# Altium PCB DL-5新款球锁 - 拼板-20201231.PcbDoc (part 7 of 9)
Units mm, origin at the board's own origin, x right, y up, seen from the top; angles counter-clockwise.
Board outline 55.99 x 50 mm, 4 copper layers (Top Layer, POWER, GND, Bottom Layer); 388 components, 70 nets, 1224 pads, 536 vias.
Unrouted connection lines stored in the file: 276.
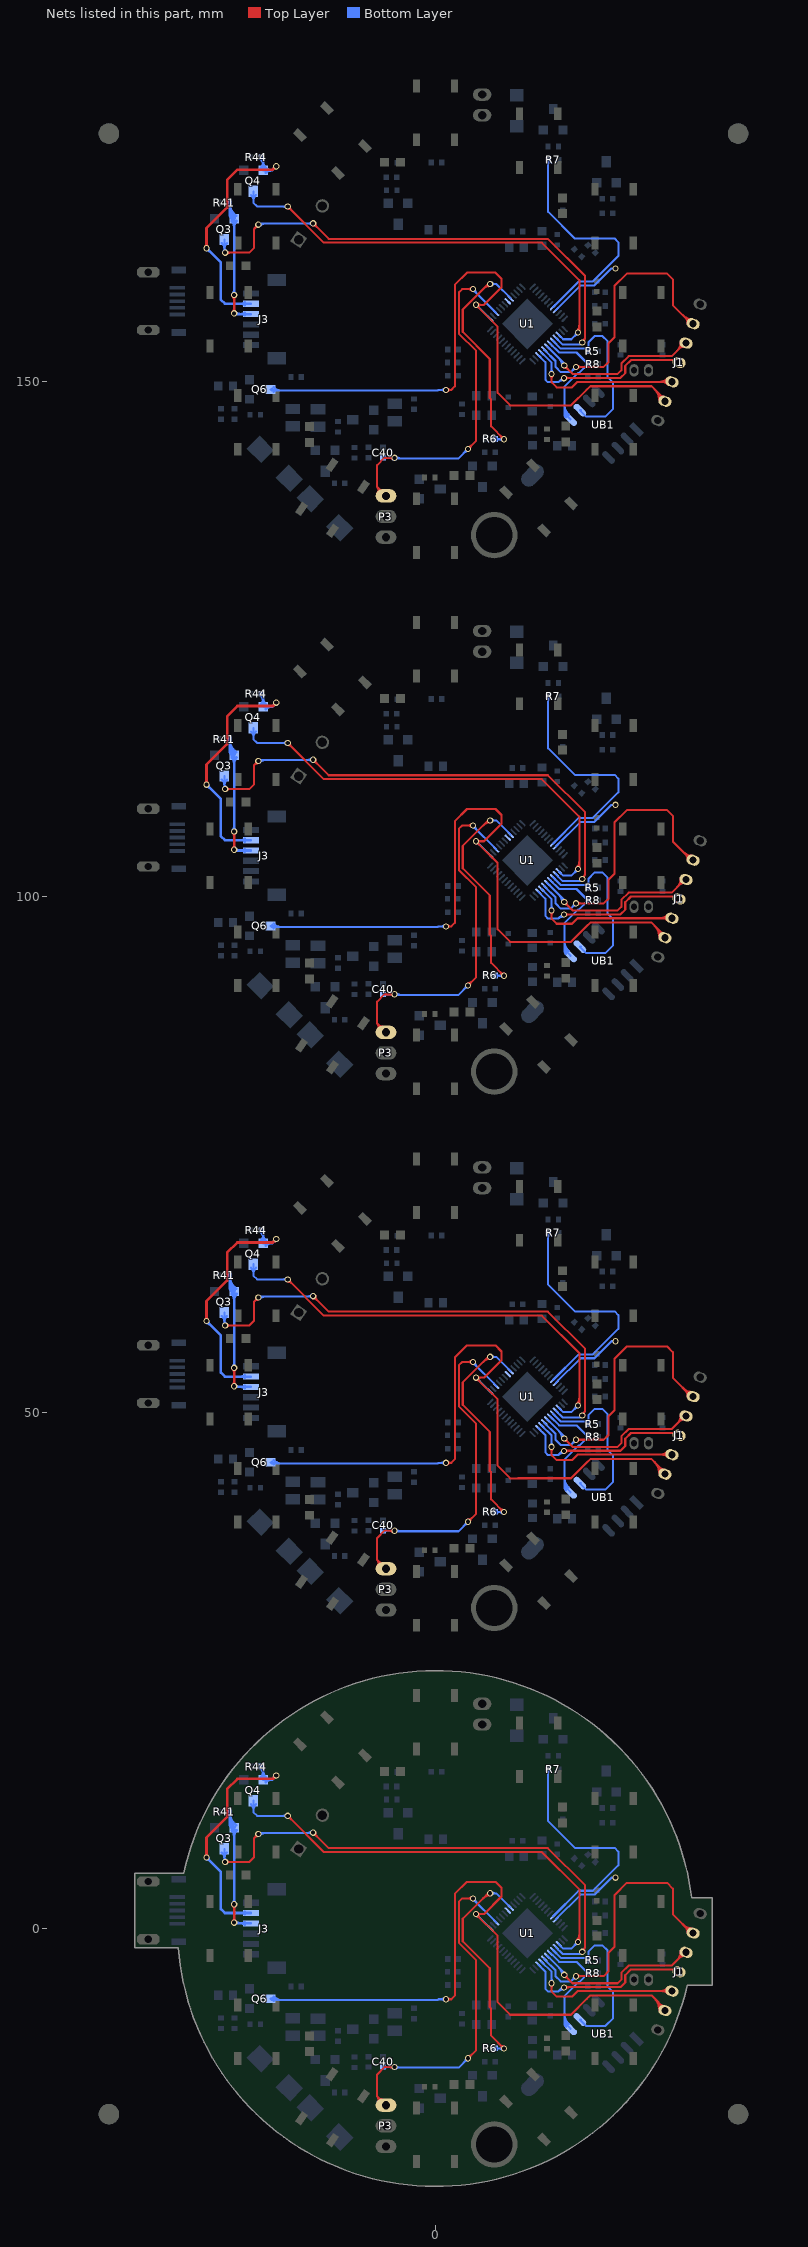
[diagram p9: the nets of this part, all layers, seen from the top]

## Via types
v1: diameter 0.6, hole 0.4, Top Layer to Bottom Layer, 440 vias
v2: diameter 0.6, hole 0.4, Top Layer to Bottom Layer, tented both sides, 48 vias
v3: diameter 0.61, hole 0.406, Top Layer to Bottom Layer, 24 vias
v4: diameter 0.61, hole 0.4, Top Layer to Bottom Layer, 16 vias
v5: diameter 0.61, hole 0.406, Top Layer to Bottom Layer, tented both sides, 8 vias

## Nets (pads, with @x,y where several pads share a name; then routed paths per layer and width w, separated by ;. In a path a pad name is that pad's centre, name@x,y a point inside that pad or via, vN(x,y) a via of type N, cw(c..) or ccw(c..) an arc to the next point about the centre after c; other vN are vias at no path point) (continued)
P04/SCK: J1.3 U1.43 | length 81.1
  Top Layer w0.2: v3@12.467,-4.701 cw(c12.467,-5.195) 12.817,-4.845 cw(c13.166,-4.496) v3@12.672,-4.496 ; v3(12.467,-4.496) 13.276,-5.304 17.657,-5.304 18.009,-4.952 18.009,-4.287 18.715,-3.581 22.899,-3.581 24.17,-2.311 J1.3@24.282,-2.311 ; v3@12.467,47.299 cw(c12.467,46.805) 12.817,47.155 cw(c13.166,47.504) v3@12.672,47.504 ; v3(12.467,47.504) 13.276,46.696 17.657,46.696 18.009,47.048 18.009,47.713 18.715,48.419 22.899,48.419 24.17,49.689 J1.3@24.282,49.689 ; v3@12.467,99.299 cw(c12.467,98.805) 12.817,99.155 cw(c13.166,99.504) v3@12.672,99.504 ; v3(12.467,99.504) 13.276,98.696 17.657,98.696 18.009,99.048 18.009,99.713 18.715,100.419 22.899,100.419 24.17,101.689 J1.3@24.282,101.689 ; v3@12.467,151.299 cw(c12.467,150.805) 12.817,151.155 cw(c13.166,151.504) v3@12.672,151.504 ; v3(12.467,151.504) 13.276,150.696 17.657,150.696 18.009,151.048 18.009,151.713 18.715,152.419 22.899,152.419 24.17,153.689 J1.3@24.282,153.689 ; 23.401,-3.079 ccw(c22.581,-2.26) J1.3@23.741,-2.26 ; 23.401,48.921 ccw(c22.581,49.74) J1.3@23.741,49.74 ; 23.401,100.921 ccw(c22.581,101.74) J1.3@23.741,101.74 ; 23.401,152.921 ccw(c22.581,153.74) J1.3@23.741,153.74 ; 23.595,-2.886 cw(c24.141,-3.432) J1.3@24.141,-2.66 ; 23.595,49.114 cw(c24.141,48.568) J1.3@24.141,49.34 ; 23.595,101.114 cw(c24.141,100.568) J1.3@24.141,101.34 ; 23.595,153.114 cw(c24.141,152.568) J1.3@24.141,153.34 ; 23.743,-2.738 ccw(c23.264,-2.26) J1.3@23.941,-2.26 ; 23.743,49.262 ccw(c23.264,49.74) J1.3@23.941,49.74 ; 23.743,101.262 ccw(c23.264,101.74) J1.3@23.941,101.74 ; 23.743,153.262 ccw(c23.264,153.74) J1.3@23.941,153.74
  Bottom Layer w0.2: U1.43@10.82,-2.649 12.467,-4.296 v3(12.467,-4.496) ; U1.43@10.82,49.351 12.467,47.704 v3(12.467,47.504) ; U1.43@10.82,101.351 12.467,99.704 v3(12.467,99.504) ; U1.43@10.82,153.351 12.467,151.704 v3(12.467,151.504) ; 11.976,-3.805 cw(c11.286,-4.496) v3@12.262,-4.496 ; 11.976,48.195 cw(c11.286,47.504) v3@12.262,47.504 ; 11.976,100.195 cw(c11.286,99.504) v3@12.262,99.504 ; 11.976,152.195 cw(c11.286,151.504) v3@12.262,151.504 ; 12.318,-4.147 cw(c11.968,-4.496) v3@12.462,-4.496 ; 12.318,47.853 cw(c11.968,47.504) v3@12.462,47.504 ; 12.318,99.853 cw(c11.968,99.504) v3@12.462,99.504 ; 12.318,151.853 cw(c11.968,151.504) v3@12.462,151.504
P05/MOSI: J1.2 U1.44 | length 122.5
  Top Layer w0.2: v1(13.61,-4.623) 16.298,-4.623 16.76,-4.162 16.76,-2.337 17.344,-1.753 17.344,3.226 18.538,4.42 22.453,4.42 23.008,3.865 23.008,1.372 24.811,-0.432 J1.2@24.966,-0.432 ; v1(13.61,47.377) 16.298,47.377 16.76,47.838 16.76,49.663 17.344,50.247 17.344,55.226 18.538,56.42 22.453,56.42 23.008,55.865 23.008,53.372 24.811,51.568 J1.2@24.966,51.568 ; v1(13.61,99.377) 16.298,99.377 16.76,99.838 16.76,101.663 17.344,102.247 17.344,107.226 18.538,108.42 22.453,108.42 23.008,107.865 23.008,105.372 24.811,103.568 J1.2@24.966,103.568 ; v1(13.61,151.377) 16.298,151.377 16.76,151.838 16.76,153.663 17.344,154.247 17.344,159.226 18.538,160.42 22.453,160.42 23.008,159.865 23.008,157.372 24.811,155.568 J1.2@24.966,155.568 ; v1@13.752,-4.764 cw(c14.093,-5.106) 14.093,-4.623 cw(c14.093,-4.14) v1@13.752,-4.481 ; v1@13.752,47.236 cw(c14.093,46.894) 14.093,47.377 cw(c14.093,47.86) v1@13.752,47.519 ; v1@13.752,99.236 cw(c14.093,98.894) 14.093,99.377 cw(c14.093,99.86) v1@13.752,99.519 ; v1@13.752,151.236 cw(c14.093,150.894) 14.093,151.377 cw(c14.093,151.86) v1@13.752,151.519 ; 24.031,0.348 ccw(c24.825,1.142) J1.2@24.825,0.02 ; 24.031,52.348 ccw(c24.825,53.142) J1.2@24.825,52.02 ; 24.031,104.348 ccw(c24.825,105.142) J1.2@24.825,104.02 ; 24.031,156.348 ccw(c24.825,157.142) J1.2@24.825,156.02 ; 24.188,0.192 cw(c23.615,-0.38) J1.2@24.425,-0.38 ; 24.188,52.192 cw(c23.615,51.62) J1.2@24.425,51.62 ; 24.188,104.192 cw(c23.615,103.62) J1.2@24.425,103.62 ; 24.188,156.192 cw(c23.615,155.62) J1.2@24.425,155.62 ; 24.373,0.007 ccw(c24.825,0.459) J1.2@24.825,-0.18 ; 24.373,52.007 ccw(c24.825,52.459) J1.2@24.825,51.82 ; 24.373,104.007 ccw(c24.825,104.459) J1.2@24.825,103.82 ; 24.373,156.007 ccw(c24.825,156.459) J1.2@24.825,155.82
  Bottom Layer w0.2: U1.44@10.537,-2.932 10.537,-2.96 11.628,-4.051 11.628,-4.622 12.137,-5.131 13.102,-5.131 v1(13.61,-4.623) ; U1.44@10.537,49.068 10.537,49.04 11.628,47.949 11.628,47.378 12.137,46.869 13.102,46.869 v1(13.61,47.377) ; U1.44@10.537,101.068 10.537,101.04 11.628,99.949 11.628,99.378 12.137,98.869 13.102,98.869 v1(13.61,99.377) ; U1.44@10.537,153.068 10.537,153.04 11.628,151.949 11.628,151.378 12.137,150.869 13.102,150.869 v1(13.61,151.377) ; v1@13.41,-4.623 cw(c12.927,-4.623) 13.269,-4.964 cw(c13.61,-5.306) v1@13.61,-4.823 ; v1@13.41,47.377 cw(c12.927,47.377) 13.269,47.036 cw(c13.61,46.694) v1@13.61,47.177 ; v1@13.41,99.377 cw(c12.927,99.377) 13.269,99.036 cw(c13.61,98.694) v1@13.61,99.177 ; v1@13.41,151.377 cw(c12.927,151.377) 13.269,151.036 cw(c13.61,150.694) v1@13.61,151.177
P06/MISO: J1.5 U1.45 | length 76
  Top Layer w0.2: v3@11.103,-5.453 cw(c10.753,-5.803) 11.248,-5.803 cw(c11.742,-5.803) v3@11.393,-5.453 ; v3@11.103,46.547 cw(c10.753,46.197) 11.248,46.197 cw(c11.742,46.197) v3@11.393,46.547 ; v3@11.103,98.547 cw(c10.753,98.197) 11.248,98.197 cw(c11.742,98.197) v3@11.393,98.547 ; v3@11.103,150.547 cw(c10.753,150.197) 11.248,150.197 cw(c11.742,150.197) v3@11.393,150.547 ; v3(11.248,-5.309) 11.248,-6.121 11.73,-6.604 13.228,-6.604 13.762,-6.07 J1.5@22.914,-6.07 ; v3(11.248,46.691) 11.248,45.879 11.73,45.396 13.228,45.396 13.762,45.93 J1.5@22.914,45.93 ; v3(11.248,98.691) 11.248,97.879 11.73,97.396 13.228,97.396 13.762,97.93 J1.5@22.914,97.93 ; v3(11.248,150.691) 11.248,149.879 11.73,149.396 13.228,149.396 13.762,149.93 J1.5@22.914,149.93 ; 21.683,-6.07 ccw(c21.683,-4.929) J1.5@22.49,-5.736 ; 21.683,45.93 ccw(c21.683,47.071) J1.5@22.49,46.264 ; 21.683,97.93 ccw(c21.683,99.071) J1.5@22.49,98.264 ; 21.683,149.93 ccw(c21.683,151.071) J1.5@22.49,150.264 ; 21.931,-6.07 cw(c21.931,-6.86) J1.5@22.49,-6.301 ; 21.931,45.93 cw(c21.931,45.14) J1.5@22.49,45.699 ; 21.931,97.93 cw(c21.931,97.14) J1.5@22.49,97.699 ; 21.931,149.93 cw(c21.931,149.14) J1.5@22.49,149.699 ; 22.166,-6.07 ccw(c22.166,-5.412) J1.5@22.631,-5.877 ; 22.166,45.93 ccw(c22.166,46.588) J1.5@22.631,46.123 ; 22.166,97.93 ccw(c22.166,98.588) J1.5@22.631,98.123 ; 22.166,149.93 ccw(c22.166,150.588) J1.5@22.631,150.123
  Bottom Layer w0.2: U1.45@10.255,-3.215 11.248,-4.208 v3(11.248,-5.309) ; U1.45@10.255,48.785 11.248,47.792 v3(11.248,46.691) ; U1.45@10.255,100.785 11.248,99.792 v3(11.248,98.691) ; U1.45@10.255,152.785 11.248,151.792 v3(11.248,150.691) ; v3@11.103,-5.164 ccw(c10.753,-4.814) 11.248,-4.814 ccw(c11.742,-4.814) v3@11.393,-5.164 ; v3@11.103,46.836 ccw(c10.753,47.186) 11.248,47.186 ccw(c11.742,47.186) v3@11.393,46.836 ; v3@11.103,98.836 ccw(c10.753,99.186) 11.248,99.186 ccw(c11.742,99.186) v3@11.393,98.836 ; v3@11.103,150.836 ccw(c10.753,151.186) 11.248,151.186 ccw(c11.742,151.186) v3@11.393,150.836
P07/NSS: J1.4 U1.46 | length 73.8
  Top Layer w0.2: v1(12.442,-5.715) 12.467,-5.69 17.928,-5.69 18.389,-5.228 18.389,-4.517 18.944,-3.962 23.37,-3.962 J1.4@23.598,-4.19 ; v1(12.442,46.285) 12.467,46.31 17.928,46.31 18.389,46.772 18.389,47.483 18.944,48.038 23.37,48.038 J1.4@23.598,47.81 ; v1(12.442,98.285) 12.467,98.31 17.928,98.31 18.389,98.772 18.389,99.483 18.944,100.038 23.37,100.038 J1.4@23.598,99.81 ; v1(12.442,150.285) 12.467,150.31 17.928,150.31 18.389,150.772 18.389,151.483 18.944,152.038 23.37,152.038 J1.4@23.598,151.81 ; v1@12.583,-5.856 cw(c12.986,-6.259) 12.986,-5.69 ; v1@12.583,-5.574 ccw(c12.863,-5.293) 12.863,-5.69 ; v1@12.583,46.144 cw(c12.986,45.741) 12.986,46.31 ; v1@12.583,46.426 ccw(c12.863,46.707) 12.863,46.31 ; v1@12.583,98.144 cw(c12.986,97.741) 12.986,98.31 ; v1@12.583,98.426 ccw(c12.863,98.707) 12.863,98.31 ; v1@12.583,150.144 cw(c12.986,149.741) 12.986,150.31 ; v1@12.583,150.426 ccw(c12.863,150.707) 12.863,150.31
  Bottom Layer w0.2: U1.46@9.972,-3.498 10.637,-4.163 10.637,-5.841 10.892,-6.096 11.908,-6.096 ; U1.46@9.972,48.502 10.637,47.837 10.637,46.159 10.892,45.904 11.908,45.904 ; U1.46@9.972,100.502 10.637,99.837 10.637,98.159 10.892,97.904 11.908,97.904 ; U1.46@9.972,152.502 10.637,151.837 10.637,150.159 10.892,149.904 11.908,149.904 ; v1@12.421,-5.914 ccw(c12.356,-6.544) 11.908,-6.096 ; v1@12.421,46.086 ccw(c12.356,45.456) 11.908,45.904 ; v1@12.421,98.086 ccw(c12.356,97.456) 11.908,97.904 ; v1@12.421,150.086 ccw(c12.356,149.456) 11.908,149.904 ; v1(12.442,-5.715) 12.391,-5.664 12.34,-5.664 11.908,-6.096 ; v1(12.442,46.285) 12.391,46.336 12.34,46.336 11.908,45.904 ; v1(12.442,98.285) 12.391,98.336 12.34,98.336 11.908,97.904 ; v1(12.442,150.285) 12.391,150.336 12.34,150.336 11.908,149.904
PWR_CTL: R6.2 U1.20 | length 101.4
  Top Layer w0.2: 4.623,2.933 cw(c5.289,2.267) v3@5.289,3.209 ; 4.623,54.933 cw(c5.289,54.267) v3@5.289,55.209 ; 4.623,106.933 cw(c5.289,106.267) v3@5.289,107.209 ; 4.623,158.933 cw(c5.289,158.267) v3@5.289,159.209 ; 4.965,3.275 cw(c5.289,2.95) v3@5.289,3.409 ; 4.965,55.275 cw(c5.289,54.95) v3@5.289,55.409 ; 4.965,107.275 cw(c5.289,106.95) v3@5.289,107.409 ; 4.965,159.275 cw(c5.289,158.95) v3@5.289,159.409 ; v3(5.289,3.414) 5.104,3.414 2.636,0.946 2.636,-1.232 5.255,-3.851 5.255,-7.624 5.38,-7.749 5.38,-10.389 v3(6.625,-11.633) ; v3(5.289,55.414) 5.104,55.414 2.636,52.946 2.636,50.768 5.255,48.149 5.255,44.376 5.38,44.251 5.38,41.611 v3(6.625,40.367) ; v3(5.289,107.414) 5.104,107.414 2.636,104.946 2.636,102.768 5.255,100.149 5.255,96.376 5.38,96.251 5.38,93.611 v3(6.625,92.367) ; v3(5.289,159.414) 5.104,159.414 2.636,156.946 2.636,154.768 5.255,152.149 5.255,148.376 5.38,148.251 5.38,145.611 v3(6.625,144.367) ; v3@6.42,-11.633 ccw(c5.926,-11.633) 6.275,-11.284 ccw(c6.625,-10.934) v3@6.625,-11.428 ; v3@6.42,40.367 ccw(c5.926,40.367) 6.275,40.716 ccw(c6.625,41.066) v3@6.625,40.572 ; v3@6.42,92.367 ccw(c5.926,92.367) 6.275,92.716 ccw(c6.625,93.066) v3@6.625,92.572 ; v3@6.42,144.367 ccw(c5.926,144.367) 6.275,144.716 ccw(c6.625,145.066) v3@6.625,144.572
  Bottom Layer w0.2: v3(5.289,3.414) 5.888,3.414 U1.20@7.285,2.018 ; v3(5.289,55.414) 5.888,55.414 U1.20@7.285,54.018 ; v3(5.289,107.414) 5.888,107.414 U1.20@7.285,106.018 ; v3(5.289,159.414) 5.888,159.414 U1.20@7.285,158.018 ; v3@5.434,3.269 cw(c5.784,2.919) 5.784,3.414 cw(c5.784,3.908) v3@5.434,3.559 ; v3@5.434,55.269 cw(c5.784,54.919) 5.784,55.414 cw(c5.784,55.908) v3@5.434,55.559 ; v3@5.434,107.269 cw(c5.784,106.919) 5.784,107.414 cw(c5.784,107.908) v3@5.434,107.559 ; v3@5.434,159.269 cw(c5.784,158.919) 5.784,159.414 cw(c5.784,159.908) v3@5.434,159.559 ; R6.2@5.787,-11.608 5.812,-11.633 v3(6.625,-11.633) ; R6.2@5.787,40.392 5.812,40.367 v3(6.625,40.367) ; R6.2@5.787,92.392 5.812,92.367 v3(6.625,92.367) ; R6.2@5.787,144.392 5.812,144.367 v3(6.625,144.367) ; R6.2@5.896,-11.742 cw(c6.159,-12.005) 6.159,-11.633 cw(c6.159,-11.261) R6.2@5.896,-11.524 ; R6.2@5.896,40.258 cw(c6.159,39.995) 6.159,40.367 cw(c6.159,40.739) R6.2@5.896,40.476 ; R6.2@5.896,92.258 cw(c6.159,91.995) 6.159,92.367 cw(c6.159,92.739) R6.2@5.896,92.476 ; R6.2@5.896,144.258 cw(c6.159,143.995) 6.159,144.367 cw(c6.159,144.739) R6.2@5.896,144.476 ; v3@6.48,-11.778 ccw(c6.131,-12.128) 6.131,-11.633 ccw(c6.131,-11.139) v3@6.48,-11.488 ; v3@6.48,40.222 ccw(c6.131,39.872) 6.131,40.367 ccw(c6.131,40.861) v3@6.48,40.512 ; v3@6.48,92.222 ccw(c6.131,91.872) 6.131,92.367 ccw(c6.131,92.861) v3@6.48,92.512 ; v3@6.48,144.222 ccw(c6.131,143.872) 6.131,144.367 ccw(c6.131,144.861) v3@6.48,144.512
REMOTO: U1.19
RSTN: J1.6 Q6.C U1.13 | length 300.8
  Top Layer w0.2: v1(1.012,-6.858) 1.521,-6.858 1.876,-6.502 1.876,3.354 3.044,4.521 5.812,4.521 6.396,3.937 6.396,3.099 4.695,1.397 v1(3.907,1.397) 6.015,-0.711 6.015,-7.137 7.235,-8.357 7.997,-8.357 ; v1(1.012,45.142) 1.521,45.142 1.876,45.498 1.876,55.354 3.044,56.521 5.812,56.521 6.396,55.937 6.396,55.099 4.695,53.397 v1(3.907,53.397) 6.015,51.289 6.015,44.863 7.235,43.643 7.997,43.643 ; v1(1.012,97.142) 1.521,97.142 1.876,97.498 1.876,107.354 3.044,108.521 5.812,108.521 6.396,107.937 6.396,107.099 4.695,105.397 v1(3.907,105.397) 6.015,103.289 6.015,96.863 7.235,95.643 7.997,95.643 ; v1(1.012,149.142) 1.521,149.142 1.876,149.498 1.876,159.354 3.044,160.521 5.812,160.521 6.396,159.937 6.396,159.099 4.695,157.397 v1(3.907,157.397) 6.015,155.289 6.015,148.863 7.235,147.643 7.997,147.643 ; v1@1.153,-6.999 cw(c1.495,-7.341) 1.495,-6.858 cw(c1.495,-6.375) v1@1.153,-6.717 ; v1@1.153,45.001 cw(c1.495,44.659) 1.495,45.142 cw(c1.495,45.625) v1@1.153,45.283 ; v1@1.153,97.001 cw(c1.495,96.659) 1.495,97.142 cw(c1.495,97.625) v1@1.153,97.283 ; v1@1.153,149.001 cw(c1.495,148.659) 1.495,149.142 cw(c1.495,149.625) v1@1.153,149.283 ; v1@3.907,1.197 cw(c3.907,0.714) 4.249,1.056 cw(c4.59,1.397) v1@4.107,1.397 ; v1@3.907,53.197 cw(c3.907,52.714) 4.249,53.056 cw(c4.59,53.397) v1@4.107,53.397 ; v1@3.907,105.197 cw(c3.907,104.714) 4.249,105.056 cw(c4.59,105.397) v1@4.107,105.397 ; v1@3.907,157.197 cw(c3.907,156.714) 4.249,157.056 cw(c4.59,157.397) v1@4.107,157.397 ; v1@4.049,1.256 cw(c4.39,0.914) 4.39,1.397 cw(c4.39,1.88) v1@4.049,1.538 ; v1@4.049,53.256 cw(c4.39,52.914) 4.39,53.397 cw(c4.39,53.88) v1@4.049,53.538 ; v1@4.049,105.256 cw(c4.39,104.914) 4.39,105.397 cw(c4.39,105.88) v1@4.049,105.538 ; v1@4.049,157.256 cw(c4.39,156.914) 4.39,157.397 cw(c4.39,157.88) v1@4.049,157.538
  Top Layer w0.203: 7.997,-8.357 13.127,-8.357 14.659,-6.825 14.669,-6.825 15.001,-6.493 20.942,-6.493 22.229,-7.781 J1.6@22.229,-7.949 J1.6@21.787,-7.949 ; 7.997,43.643 13.127,43.643 14.659,45.175 14.669,45.175 15.001,45.507 20.942,45.507 22.229,44.219 J1.6@22.229,44.051 J1.6@21.787,44.051 ; 7.997,95.643 13.127,95.643 14.659,97.175 14.669,97.175 15.001,97.507 20.942,97.507 22.229,96.219 J1.6@22.229,96.051 J1.6@21.787,96.051 ; 7.997,147.643 13.127,147.643 14.659,149.175 14.669,149.175 15.001,149.507 20.942,149.507 22.229,148.219 J1.6@22.229,148.051 J1.6@21.787,148.051 ; 21.226,-6.777 cw(c20.105,-7.898) J1.6@21.69,-7.898 ; 21.226,45.223 cw(c20.105,44.102) J1.6@21.69,44.102 ; 21.226,97.223 cw(c20.105,96.102) J1.6@21.69,96.102 ; 21.226,149.223 cw(c20.105,148.102) J1.6@21.69,148.102 ; 21.573,-7.124 cw(c20.799,-7.898) J1.6@21.893,-7.898 ; 21.573,44.876 cw(c20.799,44.102) J1.6@21.893,44.102 ; 21.573,96.876 cw(c20.799,96.102) J1.6@21.893,96.102 ; 21.573,148.876 cw(c20.799,148.102) J1.6@21.893,148.102 ; 21.849,-7.4 ccw(c22.089,-7.16) J1.6@22.089,-7.499 ; 21.849,44.6 ccw(c22.089,44.84) J1.6@22.089,44.501 ; 21.849,96.6 ccw(c22.089,96.84) J1.6@22.089,96.501 ; 21.849,148.6 ccw(c22.089,148.84) J1.6@22.089,148.501
  Bottom Layer w0.2: Q6.C@-16.006,-6.807 -15.884,-6.93 0.207,-6.93 0.279,-6.858 v1(1.012,-6.858) ; Q6.C@-16.006,45.193 -15.884,45.07 0.207,45.07 0.279,45.142 v1(1.012,45.142) ; Q6.C@-16.006,97.193 -15.884,97.07 0.207,97.07 0.279,97.142 v1(1.012,97.142) ; Q6.C@-16.006,149.193 -15.884,149.07 0.207,149.07 0.279,149.142 v1(1.012,149.142) ; Q6.C@-15.843,-6.719 ccw(c-15.333,-6.209) -15.333,-6.93 ; Q6.C@-15.843,45.281 ccw(c-15.333,45.791) -15.333,45.07 ; Q6.C@-15.843,97.281 ccw(c-15.333,97.791) -15.333,97.07 ; Q6.C@-15.843,149.281 ccw(c-15.333,149.791) -15.333,149.07 ; Q6.C@-15.702,-7.037 cw(c-15.443,-7.295) -15.443,-6.93 ; Q6.C@-15.702,-6.577 ccw(c-14.85,-5.726) -14.85,-6.93 ; Q6.C@-15.702,44.963 cw(c-15.443,44.705) -15.443,45.07 ; Q6.C@-15.702,45.423 ccw(c-14.85,46.274) -14.85,45.07 ; Q6.C@-15.702,96.963 cw(c-15.443,96.705) -15.443,97.07 ; Q6.C@-15.702,97.423 ccw(c-14.85,98.274) -14.85,97.07 ; Q6.C@-15.702,148.963 cw(c-15.443,148.705) -15.443,149.07 ; Q6.C@-15.702,149.423 ccw(c-14.85,150.274) -14.85,149.07 ; v1@0.87,-6.999 ccw(c0.529,-7.341) 0.529,-6.858 ccw(c0.529,-6.375) v1@0.87,-6.717 ; v1@0.87,45.001 ccw(c0.529,44.659) 0.529,45.142 ccw(c0.529,45.625) v1@0.87,45.283 ; v1@0.87,97.001 ccw(c0.529,96.659) 0.529,97.142 ccw(c0.529,97.625) v1@0.87,97.283 ; v1@0.87,149.001 ccw(c0.529,148.659) 0.529,149.142 ccw(c0.529,149.625) v1@0.87,149.283 ; v1@3.907,1.197 cw(c3.907,0.622) 4.314,1.028 ; v1(3.907,1.397) 3.946,1.397 U1.13@5.305,0.038 ; v1@3.907,53.197 cw(c3.907,52.622) 4.314,53.028 ; v1(3.907,53.397) 3.946,53.397 U1.13@5.305,52.038 ; v1@3.907,105.197 cw(c3.907,104.622) 4.314,105.028 ; v1(3.907,105.397) 3.946,105.397 U1.13@5.305,104.038 ; v1@3.907,157.197 cw(c3.907,156.622) 4.314,157.028 ; v1(3.907,157.397) 3.946,157.397 U1.13@5.305,156.038 ; v1@4.107,1.397 ccw(c4.498,1.397) 4.222,1.121 ; v1@4.107,53.397 ccw(c4.498,53.397) 4.222,53.121 ; v1@4.107,105.397 ccw(c4.498,105.397) 4.222,105.121 ; v1@4.107,157.397 ccw(c4.498,157.397) 4.222,157.121
RX2/MOTO0: R7.2 U1.32 | length 93.4
  Bottom Layer w0.2: R7.2@10.809,15.309 cw(c10.546,15.046) 10.918,15.046 cw(c11.289,15.046) R7.2@11.027,15.309 ; R7.2@10.809,67.309 cw(c10.546,67.046) 10.918,67.046 cw(c11.289,67.046) R7.2@11.027,67.309 ; R7.2@10.809,119.309 cw(c10.546,119.046) 10.918,119.046 cw(c11.289,119.046) R7.2@11.027,119.309 ; R7.2@10.809,171.309 cw(c10.546,171.046) 10.918,171.046 cw(c11.289,171.046) R7.2@11.027,171.309 ; R7.2@10.918,15.443 10.918,10.414 13.508,7.824 17.351,7.824 17.721,7.454 17.721,6.131 15.248,3.659 13.875,3.659 U1.32@11.386,1.169 ; R7.2@10.918,67.443 10.918,62.414 13.508,59.824 17.351,59.824 17.721,59.454 17.721,58.131 15.248,55.659 13.875,55.659 U1.32@11.386,53.169 ; R7.2@10.918,119.443 10.918,114.414 13.508,111.824 17.351,111.824 17.721,111.454 17.721,110.131 15.248,107.659 13.875,107.659 U1.32@11.386,105.169 ; R7.2@10.918,171.443 10.918,166.414 13.508,163.824 17.351,163.824 17.721,163.454 17.721,162.131 15.248,159.659 13.875,159.659 U1.32@11.386,157.169
SCL: R5.1 U1.41 UB1.6 | length 72.6
  Bottom Layer w0.2: U1.41@11.386,-2.084 12.15,-2.848 14.502,-2.848 R5.1@14.753,-3.099 ; U1.41@11.386,49.916 12.15,49.152 14.502,49.152 R5.1@14.753,48.901 ; U1.41@11.386,101.916 12.15,101.152 14.502,101.152 R5.1@14.753,100.901 ; U1.41@11.386,153.916 12.15,153.152 14.502,153.152 R5.1@14.753,152.901 ; UB1.6@14.075,-8.821 UB1.6@13.99,-8.821 14.617,-9.449 16.455,-9.449 17.217,-8.687 17.217,-6.172 16.684,-5.639 16.684,-2.134 16.175,-1.626 15.439,-1.626 14.804,-2.26 14.804,-3.047 R5.1@14.753,-3.099 ; UB1.6@14.075,43.179 UB1.6@13.99,43.179 14.617,42.551 16.455,42.551 17.217,43.313 17.217,45.828 16.684,46.361 16.684,49.866 16.175,50.374 15.439,50.374 14.804,49.74 14.804,48.953 R5.1@14.753,48.901 ; UB1.6@14.075,95.179 UB1.6@13.99,95.179 14.617,94.551 16.455,94.551 17.217,95.313 17.217,97.828 16.684,98.361 16.684,101.866 16.175,102.374 15.439,102.374 14.804,101.74 14.804,100.953 R5.1@14.753,100.901 ; UB1.6@14.075,147.179 UB1.6@13.99,147.179 14.617,146.551 16.455,146.551 17.217,147.313 17.217,149.828 16.684,150.361 16.684,153.866 16.175,154.374 15.439,154.374 14.804,153.74 14.804,152.953 R5.1@14.753,152.901 ; R5.1@14.644,-2.965 ccw(c14.257,-2.578) 14.804,-2.578 ; R5.1@14.644,49.035 ccw(c14.257,49.422) 14.804,49.422 ; R5.1@14.644,101.035 ccw(c14.257,101.422) 14.804,101.422 ; R5.1@14.644,153.036 ccw(c14.257,153.422) 14.804,153.422 ; R5.1@14.804,-3.099 R5.1@14.753,-3.099 ; R5.1@14.804,48.901 R5.1@14.753,48.901 ; R5.1@14.804,100.901 R5.1@14.753,100.901 ; R5.1@14.804,152.901 R5.1@14.753,152.901
SDA: R8.1 U1.42 UB1.5 | length 58.2
  Bottom Layer w0.2: U1.42@11.103,-2.366 11.131,-2.366 11.993,-3.228 13.663,-3.228 R8.1@14.778,-4.343 13.919,-5.203 13.843,-5.203 12.492,-6.553 12.492,-9.12 UB1.5@13.092,-9.719 ; U1.42@11.103,49.634 11.131,49.634 11.993,48.772 13.663,48.772 R8.1@14.778,47.657 13.919,46.797 13.843,46.797 12.492,45.447 12.492,42.88 UB1.5@13.092,42.281 ; U1.42@11.103,101.634 11.131,101.634 11.993,100.772 13.663,100.772 R8.1@14.778,99.657 13.919,98.797 13.843,98.797 12.492,97.447 12.492,94.88 UB1.5@13.092,94.281 ; U1.42@11.103,153.634 11.131,153.634 11.993,152.772 13.663,152.772 R8.1@14.778,151.657 13.919,150.797 13.843,150.797 12.492,149.447 12.492,146.88 UB1.5@13.092,146.281 ; 12.492,-9.206 ccw(c12.969,-9.206) UB1.5@12.632,-9.543 ; 12.492,-8.723 ccw(c13.451,-8.723) UB1.5@12.773,-9.401 ; 12.492,-8.24 ccw(c13.934,-8.24) UB1.5@12.915,-9.26 ; 12.492,42.794 ccw(c12.969,42.794) UB1.5@12.632,42.457 ; 12.492,43.277 ccw(c13.451,43.277) UB1.5@12.773,42.599 ; 12.492,43.76 ccw(c13.934,43.76) UB1.5@12.915,42.74 ; 12.492,94.794 ccw(c12.969,94.794) UB1.5@12.632,94.457 ; 12.492,95.277 ccw(c13.451,95.277) UB1.5@12.773,94.599 ; 12.492,95.76 ccw(c13.934,95.76) UB1.5@12.915,94.74 ; 12.492,146.794 ccw(c12.969,146.794) UB1.5@12.632,146.457 ; 12.492,147.277 ccw(c13.451,147.277) UB1.5@12.773,146.599 ; 12.492,147.76 ccw(c13.934,147.76) UB1.5@12.915,146.74 ; 14.472,-4.65 cw(c14.778,-4.956) R8.1@14.778,-4.523 ; 14.472,-4.037 ccw(c14.778,-3.731) R8.1@14.778,-4.164 ; 14.472,47.35 cw(c14.778,47.044) R8.1@14.778,47.477 ; 14.472,47.963 ccw(c14.778,48.269) R8.1@14.778,47.836 ; 14.472,99.35 cw(c14.778,99.044) R8.1@14.778,99.477 ; 14.472,99.963 ccw(c14.778,100.269) R8.1@14.778,99.836 ; 14.472,151.35 cw(c14.778,151.044) R8.1@14.778,151.477 ; 14.472,151.963 ccw(c14.778,152.269) R8.1@14.778,151.836 ; R8.1@14.534,-4.588 ccw(c14.314,-4.369) R8.1@14.624,-4.369 ; R8.1@14.534,-4.098 cw(c14.314,-4.318) R8.1@14.624,-4.318 ; R8.1@14.534,47.412 ccw(c14.314,47.631) R8.1@14.624,47.631 ; R8.1@14.534,47.902 cw(c14.314,47.682) R8.1@14.624,47.682 ; R8.1@14.534,99.412 ccw(c14.314,99.631) R8.1@14.624,99.631 ; R8.1@14.534,99.902 cw(c14.314,99.682) R8.1@14.624,99.682 ; R8.1@14.534,151.412 ccw(c14.314,151.631) R8.1@14.624,151.631 ; R8.1@14.534,151.902 cw(c14.314,151.682) R8.1@14.624,151.682
SETKEY: C40.1 P3.3 U1.15 | length 169.2
  Top Layer w0.2: P3.3@-5.613,-16.822 ccw(c-5.982,-16.576) -5.668,-16.263 ; P3.3@-5.613,35.178 ccw(c-5.982,35.424) -5.668,35.737 ; P3.3@-5.613,87.178 ccw(c-5.982,87.424) -5.668,87.737 ; P3.3@-5.613,139.178 ccw(c-5.982,139.424) -5.668,139.737 ; -5.496,-16.435 ccw(c-5.155,-16.093) P3.3@-5.155,-16.576 ; -5.496,35.565 ccw(c-5.155,35.907) P3.3@-5.155,35.424 ; -5.496,87.565 ccw(c-5.155,87.907) P3.3@-5.155,87.424 ; -5.496,139.565 ccw(c-5.155,139.907) P3.3@-5.155,139.424 ; -5.496,-16.435 cw(c-5.775,-16.714) P3.3@-5.446,-16.932 ; -5.496,35.565 cw(c-5.775,35.286) P3.3@-5.446,35.068 ; -5.496,87.565 cw(c-5.775,87.286) P3.3@-5.446,87.068 ; -5.496,139.565 cw(c-5.775,139.286) P3.3@-5.446,139.068 ; P3.3@-4.805,-17.126 -5.669,-16.263 ; P3.3@-4.805,34.874 -5.669,35.737 ; P3.3@-4.805,86.874 -5.669,87.737 ; P3.3@-4.805,138.874 -5.669,139.737 ; v1@-4.122,-13.578 ccw(c-4.463,-13.919) -4.463,-13.437 ccw(c-4.463,-12.954) v1@-4.122,-13.295 ; v1@-4.122,38.422 ccw(c-4.463,38.081) -4.463,38.563 ccw(c-4.463,39.046) v1@-4.122,38.705 ; v1@-4.122,90.422 ccw(c-4.463,90.081) -4.463,90.563 ccw(c-4.463,91.046) v1@-4.122,90.705 ; v1@-4.122,142.422 ccw(c-4.463,142.081) -4.463,142.563 ccw(c-4.463,143.046) v1@-4.122,142.705 ; v1(-3.981,-13.437) -4.957,-13.437 -5.669,-14.148 -5.669,-16.263 ; v1(-3.981,38.563) -4.957,38.563 -5.669,37.852 -5.669,35.737 ; v1(-3.981,90.563) -4.957,90.563 -5.669,89.852 -5.669,87.737 ; v1(-3.981,142.563) -4.957,142.563 -5.669,141.852 -5.669,139.737 ; v1(3.145,-12.573) 3.928,-11.79 3.928,-3.062 2.256,-1.39 2.256,2.591 2.586,2.921 v1(3.628,2.921) ; v1@3.145,-12.373 ccw(c3.145,-11.89) 3.487,-12.232 ccw(c3.828,-12.573) v1@3.345,-12.573 ; v1(3.145,39.427) 3.928,40.21 3.928,48.938 2.256,50.61 2.256,54.591 2.586,54.921 v1(3.628,54.921) ; v1@3.145,39.627 ccw(c3.145,40.11) 3.487,39.768 ccw(c3.828,39.427) v1@3.345,39.427 ; v1(3.145,91.427) 3.928,92.21 3.928,100.938 2.256,102.61 2.256,106.591 2.586,106.921 v1(3.628,106.921) ; v1@3.145,91.627 ccw(c3.145,92.11) 3.487,91.768 ccw(c3.828,91.427) v1@3.345,91.427 ; v1(3.145,143.427) 3.928,144.21 3.928,152.938 2.256,154.61 2.256,158.591 2.586,158.921 v1(3.628,158.921) ; v1@3.145,143.627 ccw(c3.145,144.11) 3.487,143.768 ccw(c3.828,143.427) v1@3.345,143.427 ; v1@3.486,2.78 ccw(c3.145,2.438) 3.145,2.921 ccw(c3.145,3.404) v1@3.486,3.062 ; v1@3.486,54.78 ccw(c3.145,54.438) 3.145,54.921 ccw(c3.145,55.404) v1@3.486,55.062 ; v1@3.486,106.78 ccw(c3.145,106.438) 3.145,106.921 ccw(c3.145,107.404) v1@3.486,107.062 ; v1@3.486,158.78 ccw(c3.145,158.438) 3.145,158.921 ccw(c3.145,159.404) v1@3.486,159.062
  Bottom Layer w0.2: C40.1@-5.084,-13.437 v1(-3.981,-13.437) -3.93,-13.487 2.231,-13.487 v1(3.145,-12.573) ; C40.1@-5.084,38.563 v1(-3.981,38.563) -3.93,38.513 2.231,38.513 v1(3.145,39.427) ; C40.1@-5.084,90.563 v1(-3.981,90.563) -3.93,90.513 2.231,90.513 v1(3.145,91.427) ; C40.1@-5.084,142.563 v1(-3.981,142.563) -3.93,142.513 2.231,142.513 v1(3.145,143.427) ; C40.1@-4.95,-13.545 cw(c-4.687,-13.808) -4.687,-13.437 cw(c-4.687,-13.065) C40.1@-4.95,-13.328 ; C40.1@-4.95,38.455 cw(c-4.687,38.192) -4.687,38.563 cw(c-4.687,38.935) C40.1@-4.95,38.672 ; C40.1@-4.95,90.455 cw(c-4.687,90.192) -4.687,90.563 cw(c-4.687,90.935) C40.1@-4.95,90.672 ; C40.1@-4.95,142.455 cw(c-4.687,142.192) -4.687,142.563 cw(c-4.687,142.935) C40.1@-4.95,142.672 ; v1@-4.122,-13.578 ccw(c-4.463,-13.919) -4.463,-13.437 ccw(c-4.463,-12.954) v1@-4.122,-13.295 ; v1@-4.122,38.422 ccw(c-4.463,38.081) -4.463,38.563 ccw(c-4.463,39.046) v1@-4.122,38.705 ; v1@-4.122,90.422 ccw(c-4.463,90.081) -4.463,90.563 ccw(c-4.463,91.046) v1@-4.122,90.705 ; v1@-4.122,142.422 ccw(c-4.463,142.081) -4.463,142.563 ccw(c-4.463,143.046) v1@-4.122,142.705 ; v1@-3.839,-13.578 cw(c-3.62,-13.797) -3.62,-13.487 ; v1@-3.839,-13.295 ccw(c-3.375,-12.831) -3.375,-13.487 ; v1@-3.839,38.422 cw(c-3.62,38.203) -3.62,38.513 ; v1@-3.839,38.705 ccw(c-3.375,39.169) -3.375,38.513 ; v1@-3.839,90.422 cw(c-3.62,90.203) -3.62,90.513 ; v1@-3.839,90.705 ccw(c-3.375,91.169) -3.375,90.513 ; v1@-3.839,142.422 cw(c-3.62,142.203) -3.62,142.513 ; v1@-3.839,142.705 ccw(c-3.375,143.169) -3.375,142.513 ; v1@2.945,-12.573 cw(c2.462,-12.573) 2.804,-12.914 cw(c3.145,-13.256) v1@3.145,-12.773 ; v1@2.945,39.427 cw(c2.462,39.427) 2.804,39.086 cw(c3.145,38.744) v1@3.145,39.227 ; v1@2.945,91.427 cw(c2.462,91.427) 2.804,91.086 cw(c3.145,90.744) v1@3.145,91.227 ; v1@2.945,143.427 cw(c2.462,143.427) 2.804,143.086 cw(c3.145,142.744) v1@3.145,143.227 ; v1@3.628,2.721 cw(c3.628,2.419) 3.841,2.633 ; v1(3.628,2.921) 3.628,2.846 U1.15@5.871,0.603 ; v1@3.628,54.721 cw(c3.628,54.419) 3.841,54.633 ; v1(3.628,54.921) 3.628,54.846 U1.15@5.871,52.603 ; v1@3.628,106.721 cw(c3.628,106.419) 3.841,106.633 ; v1(3.628,106.921) 3.628,106.846 U1.15@5.871,104.603 ; v1@3.628,158.721 cw(c3.628,158.419) 3.841,158.633 ; v1(3.628,158.921) 3.628,158.846 U1.15@5.871,156.603 ; v1@3.828,2.921 ccw(c4.492,2.921) 4.022,2.452 ; v1@3.828,54.921 ccw(c4.492,54.921) 4.022,54.452 ; v1@3.828,106.921 ccw(c4.492,106.921) 4.022,106.452 ; v1@3.828,158.921 ccw(c4.492,158.921) 4.022,158.452
TX2/MOTO1: U1.33 | length 29.8
  Bottom Layer w0.2: U1.33@11.669,0.886 14.061,3.279 15.406,3.279 17.055,4.928 v1(17.445,4.928) ; U1.33@11.669,52.886 14.061,55.279 15.406,55.279 17.055,56.928 v1(17.445,56.928) ; U1.33@11.669,104.886 14.061,107.279 15.406,107.279 17.055,108.928 v1(17.445,108.928) ; U1.33@11.669,156.886 14.061,159.279 15.406,159.279 17.055,160.928 v1(17.445,160.928)
UART_RD: J3.5 Q4.S R44.1 | length 123.1
  Top Layer w0.254: v3@-22.33,7.009 ccw(c-22.633,7.313) -22.204,7.313 ccw(c-21.775,7.313) v3@-22.078,7.009 ; v3@-22.33,59.009 ccw(c-22.633,59.313) -22.204,59.313 ccw(c-21.775,59.313) v3@-22.078,59.009 ; v3@-22.33,111.009 ccw(c-22.633,111.313) -22.204,111.313 ccw(c-21.775,111.313) v3@-22.078,111.009 ; v3@-22.33,163.009 ccw(c-22.633,163.313) -22.204,163.313 ccw(c-21.775,163.313) v3@-22.078,163.009 ; v3(-22.204,6.883) -22.204,8.827 -20.21,10.82 -20.21,13.51 -19.216,14.504 -15.777,14.504 v3(-15.448,14.834) ; v3(-22.204,58.883) -22.204,60.827 -20.21,62.82 -20.21,65.51 -19.216,66.504 -15.777,66.504 v3(-15.448,66.834) ; v3(-22.204,110.883) -22.204,112.827 -20.21,114.82 -20.21,117.51 -19.216,118.504 -15.777,118.504 v3(-15.448,118.834) ; v3(-22.204,162.883) -22.204,164.827 -20.21,166.82 -20.21,169.51 -19.216,170.504 -15.777,170.504 v3(-15.448,170.834) ; v3@-15.625,14.834 cw(c-16.055,14.834) -15.751,14.53 cw(c-15.448,14.227) v3@-15.448,14.656 ; v3@-15.625,66.834 cw(c-16.055,66.834) -15.751,66.53 cw(c-15.448,66.227) v3@-15.448,66.656 ; v3@-15.625,118.834 cw(c-16.055,118.834) -15.751,118.53 cw(c-15.448,118.227) v3@-15.448,118.656 ; v3@-15.625,170.834 cw(c-16.055,170.834) -15.751,170.53 cw(c-15.448,170.227) v3@-15.448,170.656
  Bottom Layer w0.254: v3@-22.204,6.706 cw(c-22.204,6.276) -21.9,6.58 cw(c-21.597,6.883) v3@-22.026,6.883 ; v3(-22.204,6.883) -20.807,5.486 -20.807,1.88 -20.427,1.5 J3.5@-17.904,1.5 ; v3@-22.204,58.706 cw(c-22.204,58.276) -21.9,58.58 cw(c-21.597,58.883) v3@-22.026,58.883 ; v3(-22.204,58.883) -20.807,57.486 -20.807,53.88 -20.427,53.5 J3.5@-17.904,53.5 ; v3@-22.204,110.706 cw(c-22.204,110.276) -21.9,110.58 cw(c-21.597,110.883) v3@-22.026,110.883 ; v3(-22.204,110.883) -20.807,109.486 -20.807,105.88 -20.427,105.5 J3.5@-17.904,105.5 ; v3@-22.204,162.706 cw(c-22.204,162.276) -21.9,162.58 cw(c-21.597,162.883) v3@-22.026,162.883 ; v3(-22.204,162.883) -20.807,161.486 -20.807,157.88 -20.427,157.5 J3.5@-17.904,157.5 ; J3.5@-18.501,1.378 ccw(c-18.796,1.082) -18.796,1.5 ccw(c-18.796,1.918) J3.5@-18.501,1.622 ; J3.5@-18.501,53.378 ccw(c-18.796,53.082) -18.796,53.5 ccw(c-18.796,53.918) J3.5@-18.501,53.622 ; J3.5@-18.501,105.378 ccw(c-18.796,105.082) -18.796,105.5 ccw(c-18.796,105.918) J3.5@-18.501,105.622 ; J3.5@-18.501,157.378 ccw(c-18.796,157.082) -18.796,157.5 ccw(c-18.796,157.918) J3.5@-18.501,157.622 ; R44.1@-16.985,15.582 cw(c-17.656,14.911) -16.707,14.911 ; R44.1@-16.985,67.582 cw(c-17.656,66.911) -16.707,66.911 ; R44.1@-16.985,119.582 cw(c-17.656,118.911) -16.707,118.911 ; R44.1@-16.985,171.582 cw(c-17.656,170.911) -16.707,170.911 ; Q4.S@-16.941,14.661 ccw(c-17.504,15.224) -16.707,15.224 ccw(c-15.91,15.224) -16.474,14.661 ccw(c-15.91,15.224) -15.91,14.427 ccw(c-15.91,13.63) Q4.S@-16.474,14.194 ; Q4.S@-16.941,66.661 ccw(c-17.504,67.224) -16.707,67.224 ccw(c-15.91,67.224) -16.474,66.661 ccw(c-15.91,67.224) -15.91,66.427 ccw(c-15.91,65.63) Q4.S@-16.474,66.194 ; Q4.S@-16.941,118.661 ccw(c-17.504,119.224) -16.707,119.224 ccw(c-15.91,119.224) -16.474,118.661 ccw(c-15.91,119.224) -15.91,118.427 ccw(c-15.91,117.63) Q4.S@-16.474,118.194 ; Q4.S@-16.941,170.661 ccw(c-17.504,171.224) -16.707,171.224 ccw(c-15.91,171.224) -16.474,170.661 ccw(c-15.91,171.224) -15.91,170.427 ccw(c-15.91,169.63) Q4.S@-16.474,170.194 ; R44.1@-16.895,15.697 -16.707,15.509 Q4.S@-16.707,14.427 -15.854,14.427 v3(-15.448,14.834) ; R44.1@-16.895,67.697 -16.707,67.509 Q4.S@-16.707,66.427 -15.854,66.427 v3(-15.448,66.834) ; R44.1@-16.895,119.697 -16.707,119.509 Q4.S@-16.707,118.427 -15.854,118.427 v3(-15.448,118.834) ; R44.1@-16.895,171.697 -16.707,171.509 Q4.S@-16.707,170.427 -15.854,170.427 v3(-15.448,170.834) ; v3@-15.625,14.834 cw(c-16.055,14.834) -15.751,14.53 cw(c-15.448,14.227) v3@-15.448,14.656 ; v3@-15.625,66.834 cw(c-16.055,66.834) -15.751,66.53 cw(c-15.448,66.227) v3@-15.448,66.656 ; v3@-15.625,118.834 cw(c-16.055,118.834) -15.751,118.53 cw(c-15.448,118.227) v3@-15.448,118.656 ; v3@-15.625,170.834 cw(c-16.055,170.834) -15.751,170.53 cw(c-15.448,170.227) v3@-15.448,170.656
UART_RD1: Q4.D U1.39 | length 191.7
  Top Layer w0.2: v1@-14.33,10.722 cw(c-14.33,10.239) -13.988,10.581 cw(c-13.647,10.922) v1@-14.13,10.922 ; v1(-14.33,10.922) -10.825,7.417 10.308,7.417 13.936,3.789 13.936,-1.173 v1(13.813,-1.295) ccw(c13.517,-0.999) 13.936,-0.999 ; v1@-14.33,62.722 cw(c-14.33,62.239) -13.988,62.581 cw(c-13.647,62.922) v1@-14.13,62.922 ; v1(-14.33,62.922) -10.825,59.417 10.308,59.417 13.936,55.789 13.936,50.827 v1(13.813,50.705) ccw(c13.517,51.001) 13.936,51.001 ; v1@-14.33,114.722 cw(c-14.33,114.239) -13.988,114.581 cw(c-13.647,114.922) v1@-14.13,114.922 ; v1(-14.33,114.922) -10.825,111.417 10.308,111.417 13.936,107.789 13.936,102.827 v1(13.813,102.705) ccw(c13.517,103.001) 13.936,103.001 ; v1@-14.33,166.722 cw(c-14.33,166.239) -13.988,166.581 cw(c-13.647,166.922) v1@-14.13,166.922 ; v1(-14.33,166.922) -10.825,163.417 10.308,163.417 13.936,159.789 13.936,154.827 v1(13.813,154.705) ccw(c13.517,155.001) 13.936,155.001 ; v1@13.672,-1.154 ccw(c13.034,-0.516) 13.936,-0.516 ; v1@13.672,50.846 ccw(c13.034,51.484) 13.936,51.484 ; v1@13.672,102.846 ccw(c13.034,103.484) 13.936,103.484 ; v1@13.672,154.846 ccw(c13.034,155.484) 13.936,155.484
  Bottom Layer w0.2: Q4.D@-17.91,12.05 cw(c-18.52,11.44) -17.657,11.44 cw(c-16.795,11.44) Q4.D@-17.405,12.05 ; Q4.D@-17.91,64.05 cw(c-18.52,63.44) -17.657,63.44 cw(c-16.795,63.44) Q4.D@-17.405,64.05 ; Q4.D@-17.91,116.05 cw(c-18.52,115.44) -17.657,115.44 cw(c-16.795,115.44) Q4.D@-17.405,116.05 ; Q4.D@-17.91,168.05 cw(c-18.52,167.44) -17.657,167.44 cw(c-16.795,167.44) Q4.D@-17.405,168.05 ; Q4.D@-17.657,12.395 -17.657,11.278 -17.302,10.922 v1(-14.33,10.922) ; Q4.D@-17.657,64.395 -17.657,63.278 -17.302,62.922 v1(-14.33,62.922) ; Q4.D@-17.657,116.395 -17.657,115.278 -17.302,114.922 v1(-14.33,114.922) ; Q4.D@-17.657,168.395 -17.657,167.278 -17.302,166.922 v1(-14.33,166.922) ; v1@-14.471,10.781 ccw(c-14.813,10.439) -14.813,10.922 ccw(c-14.813,11.405) v1@-14.471,11.063 ; v1@-14.471,62.781 ccw(c-14.813,62.439) -14.813,62.922 ccw(c-14.813,63.405) v1@-14.471,63.063 ; v1@-14.471,114.781 ccw(c-14.813,114.439) -14.813,114.922 ccw(c-14.813,115.405) v1@-14.471,115.063 ; v1@-14.471,166.781 ccw(c-14.813,166.439) -14.813,166.922 ccw(c-14.813,167.405) v1@-14.471,167.063 ; U1.39@11.952,-1.518 12.378,-1.944 13.165,-1.944 v1(13.813,-1.295) ; U1.39@11.952,50.482 12.378,50.056 13.165,50.056 v1(13.813,50.705) ; U1.39@11.952,102.482 12.378,102.056 13.165,102.056 v1(13.813,102.705) ; U1.39@11.952,154.482 12.378,154.056 13.165,154.056 v1(13.813,154.705) ; v1@13.613,-1.295 cw(c13.13,-1.295) 13.472,-1.637 cw(c13.813,-1.978) v1@13.813,-1.495 ; v1@13.613,50.705 cw(c13.13,50.705) 13.472,50.363 cw(c13.813,50.022) v1@13.813,50.505 ; v1@13.613,102.705 cw(c13.13,102.705) 13.472,102.363 cw(c13.813,102.022) v1@13.813,102.505 ; v1@13.613,154.705 cw(c13.13,154.705) 13.472,154.363 cw(c13.813,154.022) v1@13.813,154.505
UART_TD: J3.4 Q3.S R41.1 | length 85.5
  Top Layer w0.254: v5@-19.652,0.695 ccw(c-19.956,0.998) -19.527,0.998 ccw(c-19.097,0.998) v5@-19.401,0.695 ; v5@-19.652,2.221 cw(c-19.956,1.918) -19.527,1.918 cw(c-19.097,1.918) v5@-19.401,2.221 ; v5@-19.652,52.695 ccw(c-19.956,52.998) -19.527,52.998 ccw(c-19.097,52.998) v5@-19.401,52.695 ; v5@-19.652,54.221 cw(c-19.956,53.918) -19.527,53.918 cw(c-19.097,53.918) v5@-19.401,54.221 ; v5@-19.652,104.695 ccw(c-19.956,104.998) -19.527,104.998 ccw(c-19.097,104.998) v5@-19.401,104.695 ; v5@-19.652,106.221 cw(c-19.956,105.918) -19.527,105.918 cw(c-19.097,105.918) v5@-19.401,106.221 ; v5@-19.652,156.695 ccw(c-19.956,156.998) -19.527,156.998 ccw(c-19.097,156.998) v5@-19.401,156.695 ; v5@-19.652,158.221 cw(c-19.956,157.918) -19.527,157.918 cw(c-19.097,157.918) v5@-19.401,158.221 ; v5(-19.527,0.569) v5(-19.527,2.347) ; v5(-19.527,52.569) v5(-19.527,54.347) ; v5(-19.527,104.569) v5(-19.527,106.347) ; v5(-19.527,156.569) v5(-19.527,158.347)
  Bottom Layer w0.254: R41.1@-20.059,11.188 cw(c-20.275,10.971) -19.969,10.971 cw(c-19.662,10.971) R41.1@-19.879,11.188 ; R41.1@-20.059,63.188 cw(c-20.275,62.971) -19.969,62.971 cw(c-19.662,62.971) R41.1@-19.879,63.188 ; R41.1@-20.059,115.188 cw(c-20.275,114.971) -19.969,114.971 cw(c-19.662,114.971) R41.1@-19.879,115.188 ; R41.1@-20.059,167.188 cw(c-20.275,166.971) -19.969,166.971 cw(c-19.662,166.971) R41.1@-19.879,167.188 ; R41.1@-20.032,11.168 cw(c-20.197,10.883) -19.879,10.968 ; R41.1@-20.032,63.168 cw(c-20.197,62.883) -19.879,62.968 ; R41.1@-20.032,115.168 cw(c-20.197,114.883) -19.879,114.968 ; R41.1@-20.032,167.168 cw(c-20.197,166.883) -19.879,166.968 ; -19.969,10.284 ccw(c-19.127,10.284) Q3.S@-19.634,9.612 ; -19.969,10.793 ccw(c-18.743,10.793) Q3.S@-19.481,9.814 ; -19.969,62.284 ccw(c-19.127,62.284) Q3.S@-19.634,61.612 ; -19.969,62.793 ccw(c-18.743,62.793) Q3.S@-19.481,61.814 ; -19.969,114.284 ccw(c-19.127,114.284) Q3.S@-19.634,113.612 ; -19.969,114.793 ccw(c-18.743,114.793) Q3.S@-19.481,113.814 ; -19.969,166.284 ccw(c-19.127,166.284) Q3.S@-19.634,165.612 ; -19.969,166.793 ccw(c-18.743,166.793) Q3.S@-19.481,165.814 ; -19.887,10.998 cw(c-19.613,11.072) R41.1@-19.859,11.214 ; -19.887,62.998 cw(c-19.613,63.072) R41.1@-19.859,63.214 ; -19.887,114.998 cw(c-19.613,115.072) R41.1@-19.859,115.214 ; -19.887,166.998 cw(c-19.613,167.072) R41.1@-19.859,167.214 ; Q3.S@-19.76,9.52 cw(c-20.324,8.956) -19.527,8.956 cw(c-18.73,8.956) Q3.S@-19.293,9.52 ; Q3.S@-19.76,61.52 cw(c-20.324,60.956) -19.527,60.956 cw(c-18.73,60.956) Q3.S@-19.293,61.52 ; Q3.S@-19.76,113.52 cw(c-20.324,112.956) -19.527,112.956 cw(c-18.73,112.956) Q3.S@-19.293,113.52 ; Q3.S@-19.76,165.52 cw(c-20.324,164.956) -19.527,164.956 cw(c-18.73,164.956) Q3.S@-19.293,165.52 ; v5@-19.652,2.473 ccw(c-19.956,2.776) -19.527,2.776 ccw(c-19.097,2.776) v5@-19.401,2.473 ; v5@-19.652,54.473 ccw(c-19.956,54.776) -19.527,54.776 ccw(c-19.097,54.776) v5@-19.401,54.473 ; v5@-19.652,106.473 ccw(c-19.956,106.776) -19.527,106.776 ccw(c-19.097,106.776) v5@-19.401,106.473 ; v5@-19.652,158.473 ccw(c-19.956,158.776) -19.527,158.776 ccw(c-19.097,158.776) v5@-19.401,158.473 ; v5(-19.527,0.569) -19.458,0.5 J3.4@-17.904,0.5 ; v5(-19.527,2.347) Q3.S@-19.527,9.754 -19.969,10.196 R41.1@-19.969,11.303 ccw(c-18.359,11.303) Q3.S@-19.328,10.017 ; v5(-19.527,52.569) -19.458,52.5 J3.4@-17.904,52.5 ; v5(-19.527,54.347) Q3.S@-19.527,61.754 -19.969,62.196 R41.1@-19.969,63.303 ccw(c-18.359,63.303) Q3.S@-19.328,62.017 ; v5(-19.527,104.569) -19.458,104.5 J3.4@-17.904,104.5 ; v5(-19.527,106.347) Q3.S@-19.527,113.754 -19.969,114.196 R41.1@-19.969,115.303 ccw(c-18.359,115.303) Q3.S@-19.328,114.017 ; v5(-19.527,156.569) -19.458,156.5 J3.4@-17.904,156.5 ; v5(-19.527,158.347) Q3.S@-19.527,165.754 -19.969,166.196 R41.1@-19.969,167.303 ccw(c-18.359,167.303) Q3.S@-19.328,166.017 ; v5@-19.401,0.695 ccw(c-18.931,1.165) -18.931,0.5 ; v5@-19.401,52.695 ccw(c-18.931,53.165) -18.931,52.5 ; v5@-19.401,104.695 ccw(c-18.931,105.165) -18.931,104.5 ; v5@-19.401,156.695 ccw(c-18.931,157.165) -18.931,156.5 ; J3.4@-18.501,0.378 ccw(c-18.796,0.082) -18.796,0.5 ccw(c-18.796,0.918) J3.4@-18.501,0.622 ; J3.4@-18.501,52.378 ccw(c-18.796,52.082) -18.796,52.5 ccw(c-18.796,52.918) J3.4@-18.501,52.622 ; J3.4@-18.501,104.378 ccw(c-18.796,104.082) -18.796,104.5 ccw(c-18.796,104.918) J3.4@-18.501,104.622 ; J3.4@-18.501,156.378 ccw(c-18.796,156.082) -18.796,156.5 ccw(c-18.796,156.918) J3.4@-18.501,156.622
UART_TD1: Q3.D U1.40 | length 225.1
  Top Layer w0.2: v4(-20.401,6.452) -18.064,6.452 -17.581,6.934 -17.581,8.763 v4(-17.175,9.169) ; v4(-20.401,58.452) -18.064,58.452 -17.581,58.934 -17.581,60.763 v4(-17.175,61.169) ; v4(-20.401,110.452) -18.064,110.452 -17.581,110.934 -17.581,112.763 v4(-17.175,113.169) ; v4(-20.401,162.452) -18.064,162.452 -17.581,162.934 -17.581,164.763 v4(-17.175,165.169) ; v4@-20.256,6.307 cw(c-19.906,5.957) -19.906,6.452 cw(c-19.906,6.946) v4@-20.256,6.596 ; v4@-20.256,58.307 cw(c-19.906,57.957) -19.906,58.452 cw(c-19.906,58.946) v4@-20.256,58.596 ; v4@-20.256,110.307 cw(c-19.906,109.957) -19.906,110.452 cw(c-19.906,110.946) v4@-20.256,110.596 ; v4@-20.256,162.307 cw(c-19.906,161.957) -19.906,162.452 cw(c-19.906,162.946) v4@-20.256,162.596 ; v4@-17.38,9.169 cw(c-17.874,9.169) -17.524,8.82 cw(c-17.175,8.47) v4@-17.175,8.965 ; v4@-17.38,61.169 cw(c-17.874,61.169) -17.524,60.82 cw(c-17.175,60.47) v4@-17.175,60.965 ; v4@-17.38,113.169 cw(c-17.874,113.169) -17.524,112.82 cw(c-17.175,112.47) v4@-17.175,112.965 ; v4@-17.38,165.169 cw(c-17.874,165.169) -17.524,164.82 cw(c-17.175,164.47) v4@-17.175,164.965 ; v4@-11.866,9.092 cw(c-11.866,8.597) -11.516,8.947 cw(c-11.167,9.296) v4@-11.661,9.296 ; v4(-11.866,9.296) -10.367,7.797 10.893,7.797 14.499,4.191 14.499,-1.854 ; v4@-11.866,61.092 cw(c-11.866,60.597) -11.516,60.947 cw(c-11.167,61.296) v4@-11.661,61.296 ; v4(-11.866,61.296) -10.367,59.797 10.893,59.797 14.499,56.191 14.499,50.146 ; v4@-11.866,113.092 cw(c-11.866,112.597) -11.516,112.947 cw(c-11.167,113.296) v4@-11.661,113.296 ; v4(-11.866,113.296) -10.367,111.797 10.893,111.797 14.499,108.191 14.499,102.146 ; v4@-11.866,165.092 cw(c-11.866,164.597) -11.516,164.947 cw(c-11.167,165.296) v4@-11.661,165.296 ; v4(-11.866,165.296) -10.367,163.797 10.893,163.797 14.499,160.191 14.499,154.146 ; v4(14.22,-2.261) 14.22,-2.134 14.499,-1.854 ; v4(14.22,49.739) 14.22,49.866 14.499,50.146 ; v4(14.22,101.739) 14.22,101.866 14.499,102.146 ; v4(14.22,153.739) 14.22,153.866 14.499,154.146 ; v4@14.415,-2.199 cw(c14.741,-2.096) 14.499,-1.854 ; v4@14.415,49.801 cw(c14.741,49.904) 14.499,50.146 ; v4@14.415,101.801 cw(c14.741,101.904) 14.499,102.146 ; v4@14.415,153.801 cw(c14.741,153.904) 14.499,154.146
  Bottom Layer w0.2: Q3.D@-20.729,7.376 cw(c-21.339,6.766) -20.477,6.766 cw(c-19.614,6.766) Q3.D@-20.224,7.376 ; Q3.D@-20.729,59.376 cw(c-21.339,58.766) -20.477,58.766 cw(c-19.614,58.766) Q3.D@-20.224,59.376 ; Q3.D@-20.729,111.376 cw(c-21.339,110.766) -20.477,110.766 cw(c-19.614,110.766) Q3.D@-20.224,111.376 ; Q3.D@-20.729,163.376 cw(c-21.339,162.766) -20.477,162.766 cw(c-19.614,162.766) Q3.D@-20.224,163.376 ; v4@-20.545,6.596 ccw(c-20.711,6.762) -20.477,6.762 ; v4@-20.545,58.596 ccw(c-20.711,58.762) -20.477,58.762 ; v4@-20.545,110.596 ccw(c-20.711,110.762) -20.477,110.762 ; v4@-20.545,162.596 ccw(c-20.711,162.762) -20.477,162.762 ; -20.477,7.13 ccw(c-19.722,7.13) v4@-20.256,6.596 ; Q3.D@-20.477,7.722 -20.477,6.528 v4(-20.401,6.452) ; -20.477,59.13 ccw(c-19.722,59.13) v4@-20.256,58.596 ; Q3.D@-20.477,59.722 -20.477,58.528 v4(-20.401,58.452) ; -20.477,111.13 ccw(c-19.722,111.13) v4@-20.256,110.596 ; Q3.D@-20.477,111.722 -20.477,110.528 v4(-20.401,110.452) ; -20.477,163.13 ccw(c-19.722,163.13) v4@-20.256,162.596 ; Q3.D@-20.477,163.722 -20.477,162.528 v4(-20.401,162.452) ; v4@-17.149,9.271 -11.866,9.271 v4(-11.866,9.296) ; v4@-17.149,61.271 -11.866,61.271 v4(-11.866,61.296) ; v4@-17.149,113.271 -11.866,113.271 v4(-11.866,113.296) ; v4@-17.149,165.271 -11.866,165.271 v4(-11.866,165.296) ; v4@-17.03,9.025 cw(c-16.435,8.43) -16.435,9.271 ; v4@-17.03,61.025 cw(c-16.435,60.43) -16.435,61.271 ; v4@-17.03,113.025 cw(c-16.435,112.43) -16.435,113.271 ; v4@-17.03,165.025 cw(c-16.435,164.43) -16.435,165.271 ; -12.422,9.271 ccw(c-12.422,9.852) v4@-12.011,9.441 ; -12.422,61.271 ccw(c-12.422,61.852) v4@-12.011,61.441 ; -12.422,113.271 ccw(c-12.422,113.852) v4@-12.011,113.441 ; -12.422,165.271 ccw(c-12.422,165.852) v4@-12.011,165.441 ; -12.299,9.271 cw(c-12.299,8.863) v4@-12.011,9.152 ; -12.299,61.271 cw(c-12.299,60.863) v4@-12.011,61.152 ; -12.299,113.271 cw(c-12.299,112.863) v4@-12.011,113.152 ; -12.299,165.271 cw(c-12.299,164.863) v4@-12.011,165.152 ; U1.40@11.669,-1.801 12.336,-2.468 14.012,-2.468 v4(14.22,-2.261) ; U1.40@11.669,50.199 12.336,49.532 14.012,49.532 v4(14.22,49.739) ; U1.40@11.669,102.199 12.336,101.532 14.012,101.532 v4(14.22,101.739) ; U1.40@11.669,154.199 12.336,153.532 14.012,153.532 v4(14.22,153.739)